# Allegro board PandaX_III_V3.brd
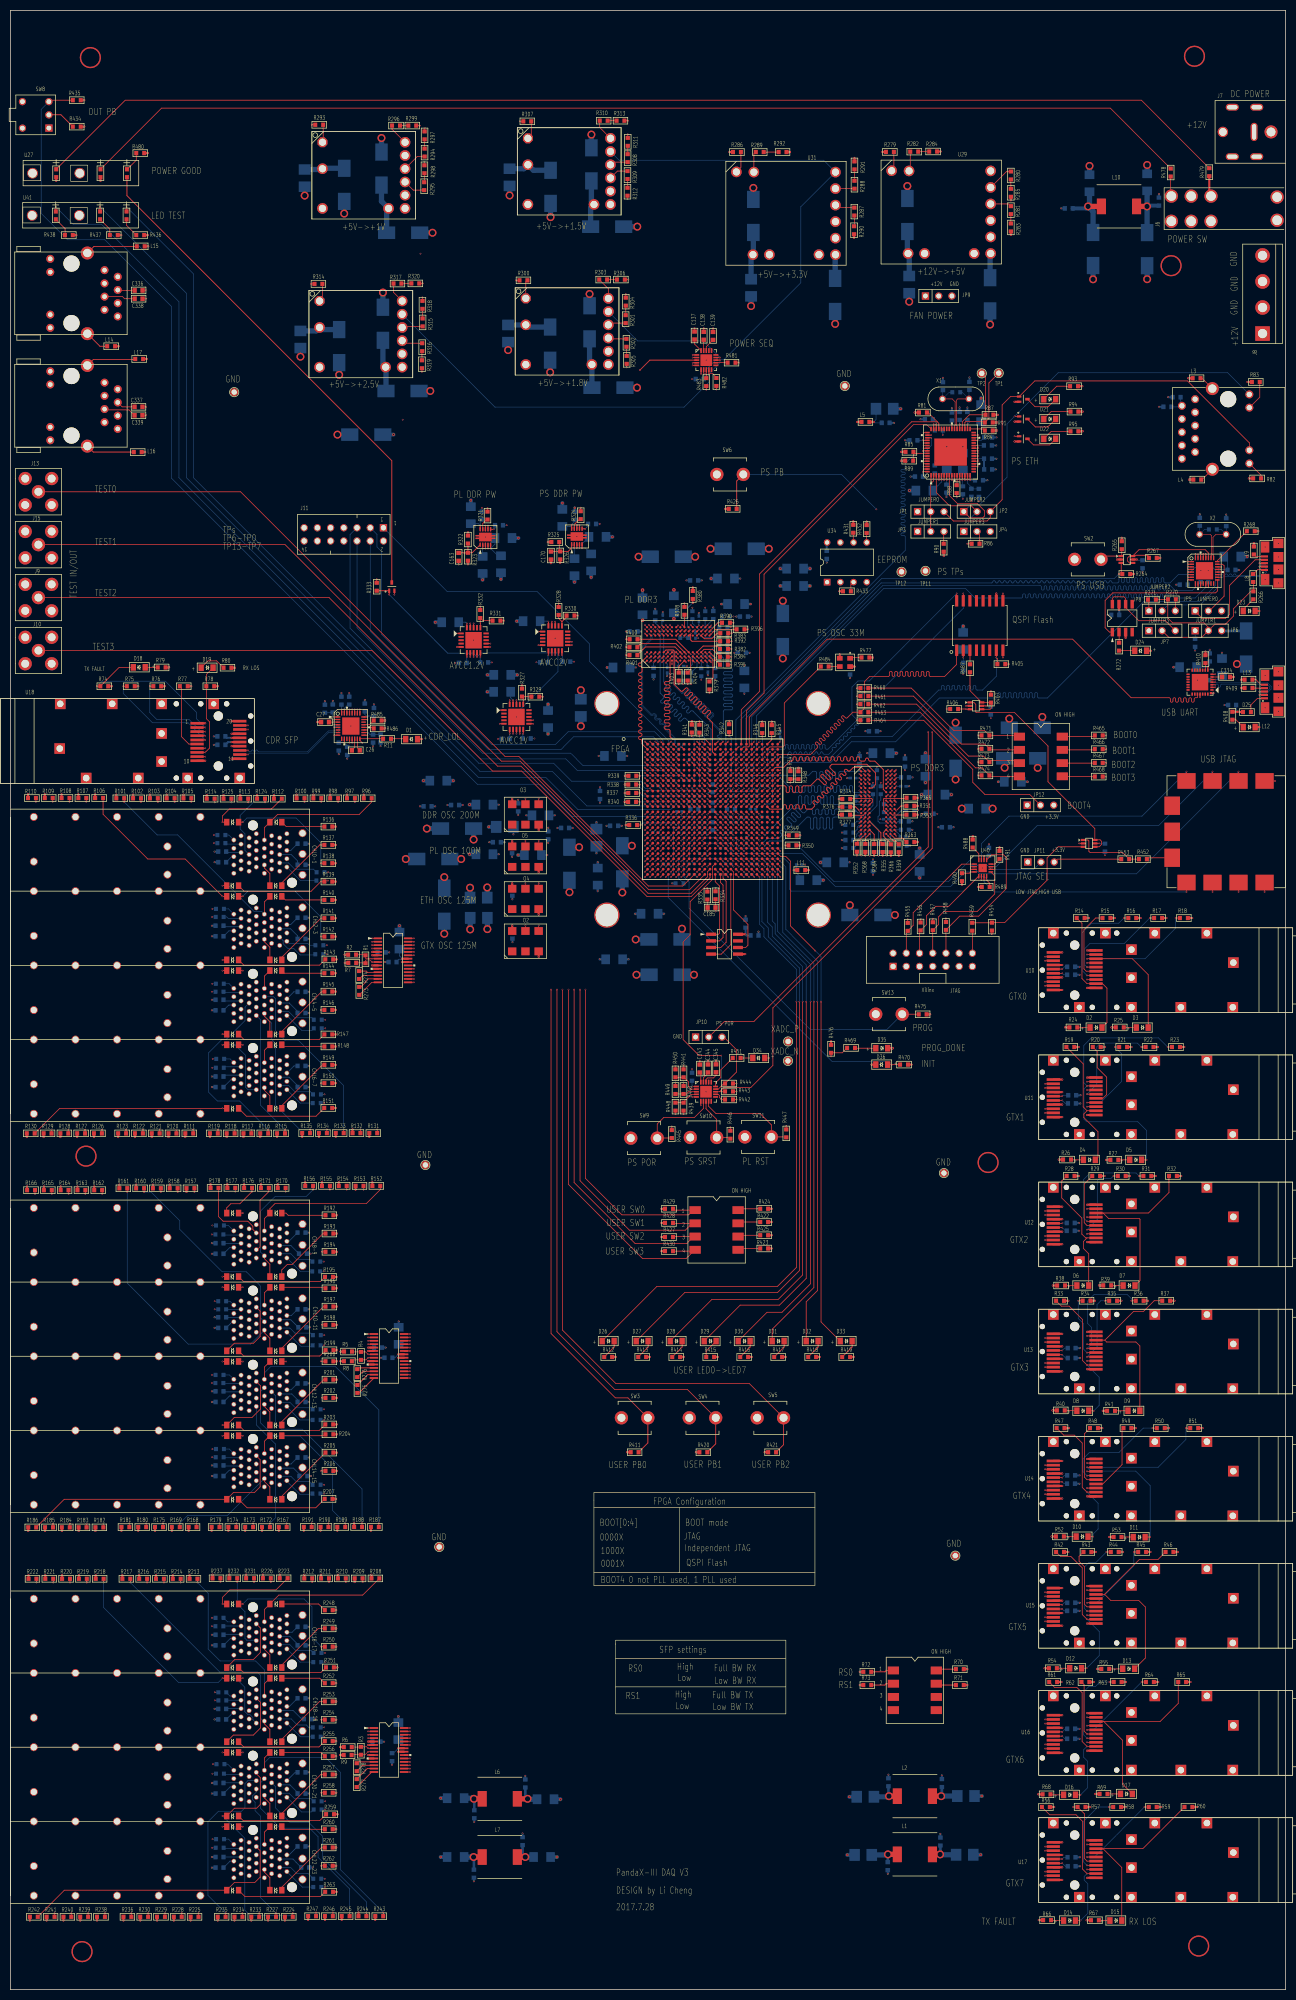
[diagram p0: board, top side]
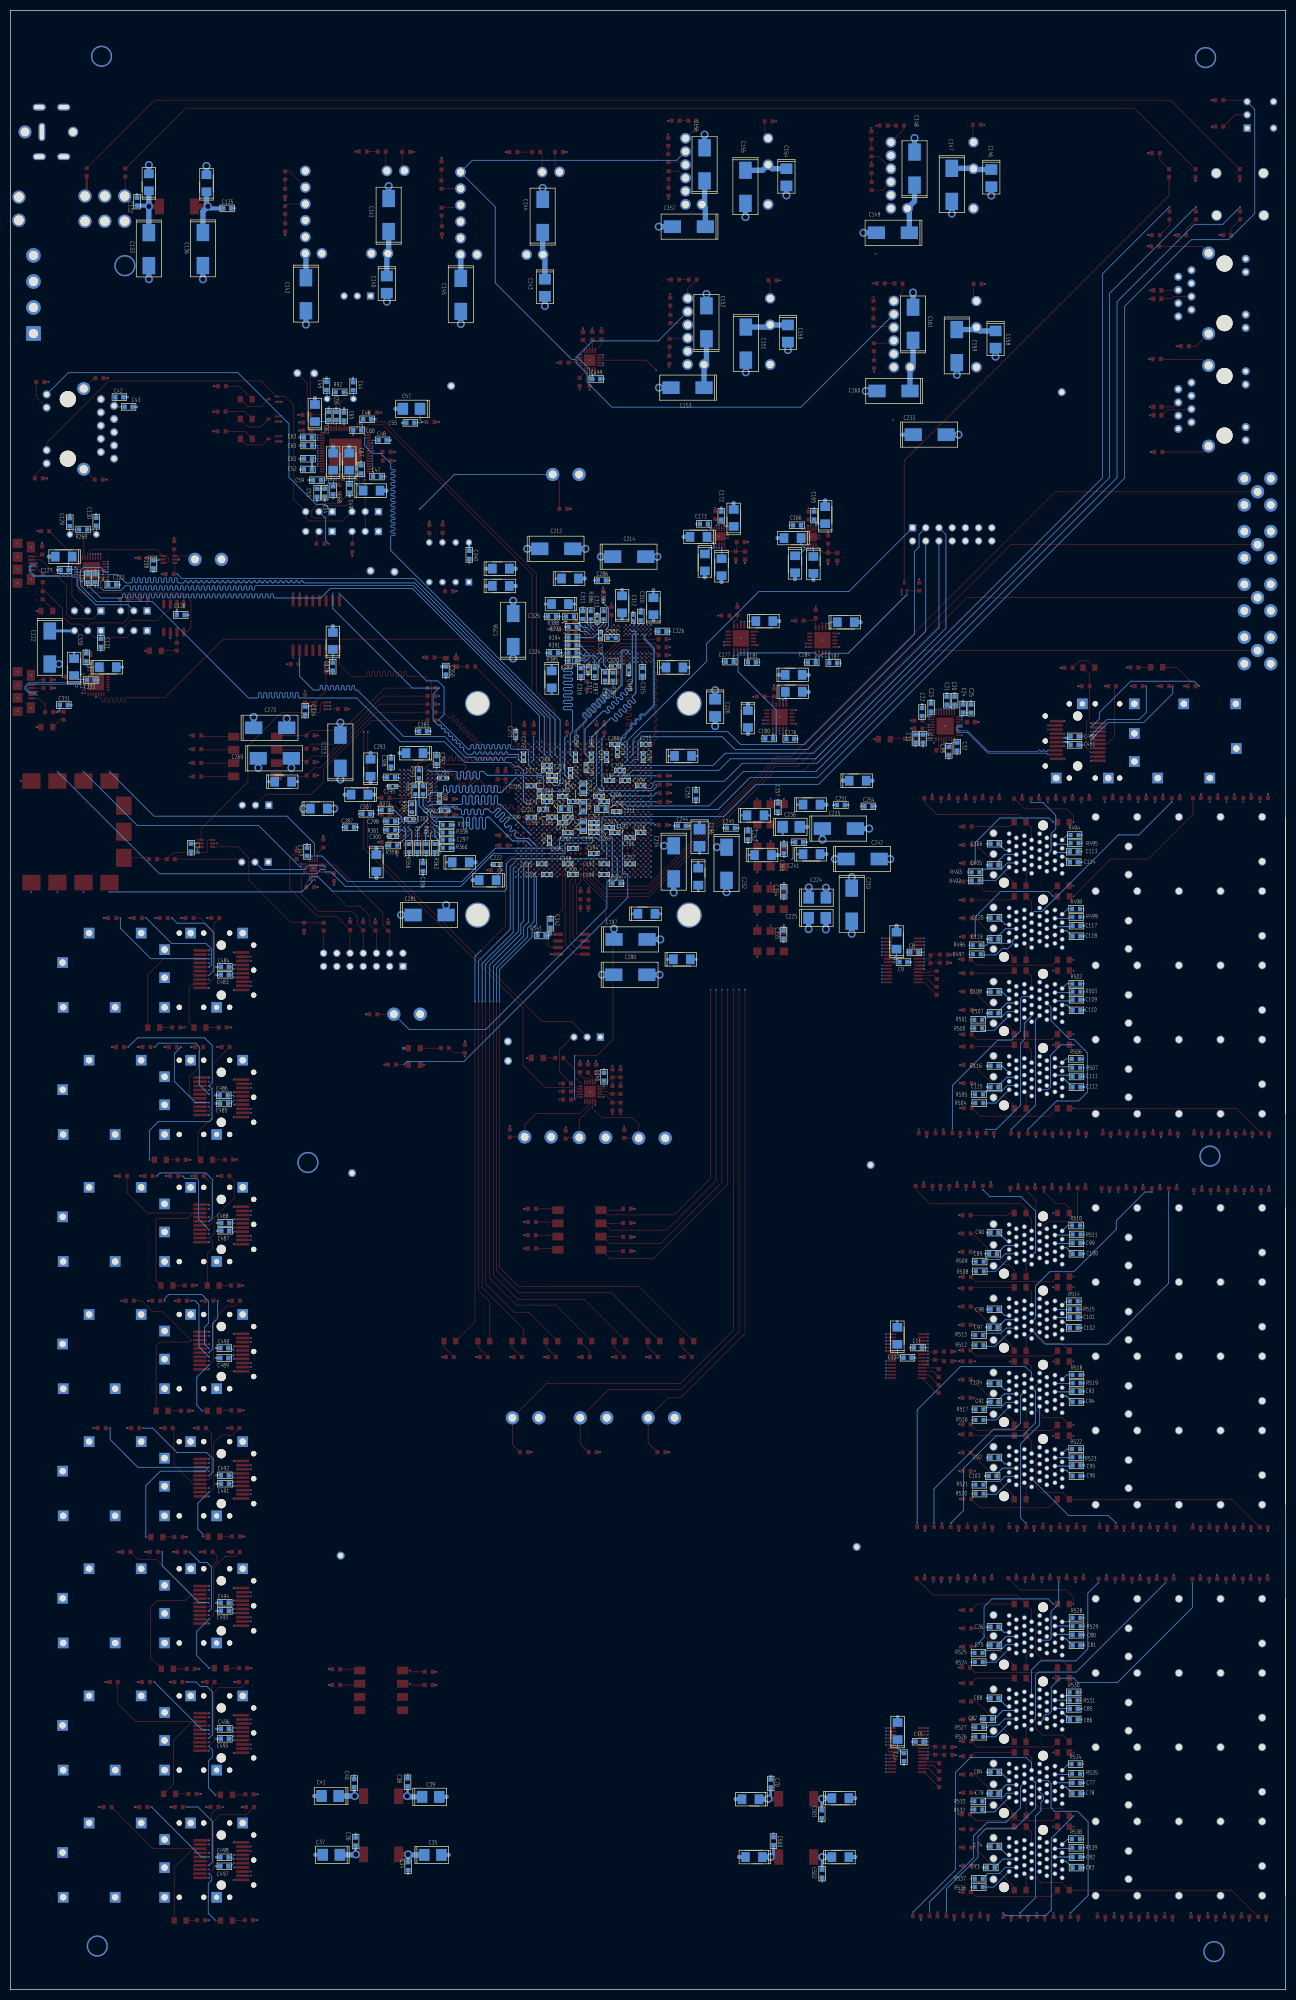
[diagram p1: board, bottom side, seen from below]

Outline 245.01 x 380 mm; copper layers: TOP, GND1, PWR1, SIG1, GND2, SIG2, PWR2, PWR3, SIG3, GND3, SIG4, PWR4, GND4, BOTTOM. Coordinates in mm from the lower left corner of the outline.
Outline path: 0.01,380 0.01,0 245.01,0 245.01,380 0.01,380

## Design rules (mm)
net group DCM_CLK: nets DCM_CLK_N DCM_CLK_P
net group DCM_MISO: nets DCM_MISO_N DCM_MISO_P
net group DCM_MOSI: nets DCM_MOSI_N DCM_MOSI_P
net group ETHERNET_GTX_CLK: nets ETHERNET_GTX_CLK_N ETHERNET_GTX_CLK_P
net group ETHERNET_XTAL: nets ETHERNET_XTAL_N ETHERNET_XTAL_P
net group FEC_CLK: nets FEC_CLK_N FEC_CLK_P
net group FEC_GROUP_TX0: nets FEC_GROUP_TX_N0 FEC_GROUP_TX_P0
net group FEC_GROUP_TX1: nets FEC_GROUP_TX_N1 FEC_GROUP_TX_P1
net group FEC_GROUP_TX2: nets FEC_GROUP_TX_N2 FEC_GROUP_TX_P2
net group FEC_MISO: nets FEC_MISO_N FEC_MISO_P
net group FEC_MOSI: nets FEC_MOSI_N FEC_MOSI_P
net group FEC_RX_0: nets FEC_RX_N0 FEC_RX_P0
net group FEC_RX_1: nets FEC_RX_N1 FEC_RX_P1
net group FEC_RX_2: nets FEC_RX_N2 FEC_RX_P2
net group FEC_RX_3: nets FEC_RX_N3 FEC_RX_P3
net group FEC_RX_4: nets FEC_RX_N4 FEC_RX_P4
net group FEC_RX_5: nets FEC_RX_N5 FEC_RX_P5
net group FEC_RX_6: nets FEC_RX_N6 FEC_RX_P6
net group FEC_RX_7: nets FEC_RX_N7 FEC_RX_P7
net group FEC_RX_8: nets FEC_RX_N8 FEC_RX_P8
net group FEC_RX_9: nets FEC_RX_N9 FEC_RX_P9
net group FEC_RX_10: nets FEC_RX_N10 FEC_RX_P10
net group FEC_RX_11: nets FEC_RX_N11 FEC_RX_P11
net group FEC_RX_12: nets FEC_RX_N12 FEC_RX_P12
net group FEC_RX_13: nets FEC_RX_N13 FEC_RX_P13
net group FEC_RX_14: nets FEC_RX_N14 FEC_RX_P14
net group FEC_RX_15: nets FEC_RX_N15 FEC_RX_P15
net group FEC_RX_16: nets FEC_RX_N16 FEC_RX_P16
net group FEC_RX_18: nets FEC_RX_N18 FEC_RX_P18
net group FEC_RX_20: nets FEC_RX_N20 FEC_RX_P20
net group FEC_RX_21: nets FEC_RX_N21 FEC_RX_P21
net group FEC_RX_22: nets FEC_RX_N22 FEC_RX_P22
net group FEC_RX_23: nets FEC_RX_N23 FEC_RX_P23
net group FEC_TX_0: nets FEC_TX_N0 FEC_TX_P0
net group FEC_TX_1: nets FEC_TX_N1 FEC_TX_P1
net group FEC_TX_2: nets FEC_TX_N2 FEC_TX_P2
net group FEC_TX_3: nets FEC_TX_N3 FEC_TX_P3
net group FEC_TX_4: nets FEC_TX_N4 FEC_TX_P4
net group FEC_TX_5: nets FEC_TX_N5 FEC_TX_P5
net group FEC_TX_6: nets FEC_TX_N6 FEC_TX_P6
net group FEC_TX_7: nets FEC_TX_N7 FEC_TX_P7
net group FEC_TX_8: nets FEC_TX_N8 FEC_TX_P8
net group FEC_TX_9: nets FEC_TX_N9 FEC_TX_P9
net group FEC_TX_10: nets FEC_TX_N10 FEC_TX_P10
net group FEC_TX_11: nets FEC_TX_N11 FEC_TX_P11
net group FEC_TX_12: nets FEC_TX_N12 FEC_TX_P12
net group FEC_TX_13: nets FEC_TX_N13 FEC_TX_P13
net group FEC_TX_14: nets FEC_TX_N14 FEC_TX_P14
net group FEC_TX_15: nets FEC_TX_N15 FEC_TX_P15
net group FEC_TX_16: nets FEC_TX_N16 FEC_TX_P16
net group FEC_TX_17: nets FEC_TX_N17 FEC_TX_P17
net group FEC_TX_18: nets FEC_TX_N18 FEC_TX_P18
net group FEC_TX_19: nets FEC_TX_N19 FEC_TX_P19
net group FEC_TX_20: nets FEC_TX_N20 FEC_TX_P20
net group FEC_TX_21: nets FEC_TX_N21 FEC_TX_P21
net group FEC_TX_22: nets FEC_TX_N22 FEC_TX_P22
net group FEC_TX_23: nets FEC_TX_N23 FEC_TX_P23
net group GTX_CLOCK: nets GTX_CLOCK_N GTX_CLOCK_P
net group MDI0: nets MDI_N0 MDI_P0
net group MDI1: nets MDI_N1 MDI_P1
net group MDI2: nets MDI_N2 MDI_P2
net group MDI3: nets MDI_N3 MDI_P3
net group PL_CLK: nets PL_CLK_N PL_CLK_P
net group POWER: nets SFP_VCCR SFP_VCCT
net group RX_CDR_CLK: nets RX_CDR_CLKN RX_CDR_CLKP
net group RX_CDR_RX: nets RX_CDR_RXN RX_CDR_RXP
net group SFP_RX_0: nets SFP_RX_N0 SFP_RX_P0
net group SFP_RX_1: nets SFP_RX_N1 SFP_RX_P1
net group SFP_RX_2: nets SFP_RX_N2 SFP_RX_P2
net group SFP_RX_3: nets SFP_RX_N3 SFP_RX_P3
net group SFP_RX_4: nets SFP_RX_N4 SFP_RX_P4
net group SFP_RX_5: nets SFP_RX_N5 SFP_RX_P5
net group SFP_RX_6: nets SFP_RX_N6 SFP_RX_P6
net group SFP_RX_7: nets SFP_RX_N7 SFP_RX_P7
net group SFP_RX_8: nets SFP_RX_N8 SFP_RX_P8
net group SFP_TX_0: nets SFP_TX_N0 SFP_TX_P0
net group SFP_TX_1: nets SFP_TX_N1 SFP_TX_P1
net group SFP_TX_2: nets SFP_TX_N2 SFP_TX_P2
net group SFP_TX_3: nets SFP_TX_N3 SFP_TX_P3
net group SFP_TX_4: nets SFP_TX_N4 SFP_TX_P4
net group SFP_TX_5: nets SFP_TX_N5 SFP_TX_P5
net group SFP_TX_6: nets SFP_TX_N6 SFP_TX_P6
net group SFP_TX_7: nets SFP_TX_N7 SFP_TX_P7
net group SFP_TX_8: nets SFP_TX_N8 SFP_TX_P8
net group UART: nets UART_USB_RXD UART_USB_TXD
net group UART_USB_D: nets UART_USB_D_N UART_USB_D_P
net group ULPI_USB_D: nets ULPI_USB_D_N ULPI_USB_D_P
net group USB3320_XTAL: nets USB3320_XTAL_N USB3320_XTAL_P
net group XADC: nets XADC_N XADC_P
net group PHY_RX: nets ETH_PHY_RX_CLK ETH_PHY_RX_CTRL ETH_PHY_RXD0 ETH_PHY_RXD1 ETH_PHY_RXD2 ETH_PHY_RXD3
net group PHY_TX: nets ETH_PHY_TX_CLK ETH_PHY_TX_CTRL ETH_PHY_TXD0 ETH_PHY_TXD1 ETH_PHY_TXD2 ETH_PHY_TXD3
net group PL_DDR3: nets PL_DDR3_ADDR0 PL_DDR3_ADDR1 PL_DDR3_ADDR2 PL_DDR3_ADDR3 PL_DDR3_ADDR4 PL_DDR3_ADDR5 PL_DDR3_ADDR6 PL_DDR3_ADDR7 PL_DDR3_ADDR8 PL_DDR3_ADDR9 PL_DDR3_ADDR10 PL_DDR3_ADDR11 PL_DDR3_ADDR12 PL_DDR3_ADDR13 PL_DDR3_ADDR14 PL_DDR3_BA0 PL_DDR3_BA1 PL_DDR3_BA2 PL_DDR3_CAS_B PL_DDR3_CK_N PL_DDR3_CK_P PL_DDR3_CKE PL_DDR3_CS_B PL_DDR3_DQ0 PL_DDR3_DQ1 PL_DDR3_DQ2 PL_DDR3_DQ3 PL_DDR3_DQ4 PL_DDR3_DQ5 PL_DDR3_DQ6 PL_DDR3_DQ7 PL_DDR3_DQ8 PL_DDR3_DQ9 PL_DDR3_DQ10 PL_DDR3_DQ11 PL_DDR3_DQ12 PL_DDR3_DQ13 PL_DDR3_DQ14 PL_DDR3_DQ15 PL_DDR3_LDM PL_DDR3_LDQS_N PL_DDR3_LDQS_P PL_DDR3_ODT PL_DDR3_RAS_B PL_DDR3_RESET_B PL_DDR3_SYS_CK_N PL_DDR3_SYS_CK_P PL_DDR3_UDM PL_DDR3_UDQS_N PL_DDR3_UDQS_P PL_DDR3_WE_B PL_DDR3_ZQ
net group PS_DDR3: nets DDR3_ADDR0 DDR3_ADDR1 DDR3_ADDR2 DDR3_ADDR3 DDR3_ADDR4 DDR3_ADDR5 DDR3_ADDR6 DDR3_ADDR7 DDR3_ADDR8 DDR3_ADDR9 DDR3_ADDR10 DDR3_ADDR11 DDR3_ADDR12 DDR3_ADDR13 DDR3_ADDR14 DDR3_BA0 DDR3_BA1 DDR3_BA2 DDR3_CAS_B DDR3_CK_N DDR3_CK_P DDR3_CKE DDR3_CS_B DDR3_DQ0 DDR3_DQ1 DDR3_DQ2 DDR3_DQ3 DDR3_DQ4 DDR3_DQ5 DDR3_DQ6 DDR3_DQ7 DDR3_DQ8 DDR3_DQ9 DDR3_DQ10 DDR3_DQ11 DDR3_DQ12 DDR3_DQ13 DDR3_DQ14 DDR3_DQ15 DDR3_LDM DDR3_LDQS_N DDR3_LDQS_P DDR3_ODT DDR3_RAS_B DDR3_RESET_B DDR3_UDM DDR3_UDQS_N DDR3_UDQS_P DDR3_WE_B DDR3_ZQ
net group ULPI_USB: nets ULPI_USB_CLKOUT ULPI_USB_DATA0 ULPI_USB_DATA1 ULPI_USB_DATA2 ULPI_USB_DATA3 ULPI_USB_DATA4 ULPI_USB_DATA5 ULPI_USB_DATA6 ULPI_USB_DATA7 ULPI_USB_DIR ULPI_USB_NEXT ULPI_USB_STP

## Placement (name value [footprint] x y rotation side)
C7  10u  [CT1206]  74.75 201.4 90 bottom
C8  0.01u  [SC0603]  71.32 199.14 180 bottom
C9  0.1u  [SC0603]  73.43 197.28 0 bottom
C10  10u  [CT1206]  74.6 125.53 90 bottom
C11  0.01u  [SC0603]  70.64 123.27 180 bottom
C12  0.1u  [SC0603]  72.64 121.31 0 bottom
C13  10u  [CT1206]  74.55 49.63 90 bottom
C14  0.01u  [SC0603]  73.33 44.63 90 bottom
C15  0.1u  [SC0603]  70.33 47.6 180 bottom
C20  1n  [SC0603]  63.6 247.47 270 bottom
C21  0.1u  [SC0603]  65.1 247.47 270 bottom
C22  1n  [SC0603]  69.85 245.29 270 bottom
C23  0.1u  [SC0603]  68.1 246.15 270 bottom
C24  1n  [SC0603]  61.95 245.97 270 bottom
C25  0.1u  [SC0603]  60.43 245.92 270 bottom
C26  0.47u  [SC0603]  66.37 237.95 0 top
C27  0.1u  [SC0603]  60.45 243.36 0 top
C30  1n  [SC0603]  71.12 240.21 90 bottom
C31  0.1u  [SC0603]  69.67 240.18 90 bottom
C32  1n  [SC0603]  63.09 238.66 90 bottom
C33  0.1u  [SC0603]  64.72 237.82 90 bottom
C34  0.1u  [SC0603]  168.58 23.7 270 bottom
C35  22u  [CT3528]  163.86 25.86 180 bottom
C36  0.1u  [SC0603]  178.69 28.42 90 bottom
C37  22u  [CT3528]  183.36 25.88 0 bottom
C38  0.1u  [SC0603]  168.71 39.8 90 bottom
C39  22u  [CT3528]  164.26 37.01 180 bottom
C40  0.1u  [SC0603]  178.97 39.65 90 bottom
C41  22u  [CT3528]  183.59 37.16 0 bottom
C42  1n  [SC0603]  224.08 305.74 180 bottom
C43  0.1u  [SC0603]  222.3 303.89 180 bottom
C44  18p  [SC0603]  179.17 307.85 90 bottom
C45  18p  [SC0603]  184.28 307.9 90 bottom
C46  0.1u  [SC0603]  176.48 301.5 180 bottom
C47  0.1u  [SC0603]  174.57 290.5 180 bottom
C48  0.1u  [SC0603]  173.51 297.46 180 bottom
C49  0.1u  [SC0603]  179.86 288.19 270 bottom
C50  10u  [CT1206]  179.91 293.37 90 bottom
C51  10u  [CT1206]  186.51 302.69 90 bottom
C52  0.1u  [SC0603]  187.86 291.87 0 bottom
C53  0.1u  [SC0603]  186.08 287.38 270 bottom
C54  0.1u  [SC0603]  184.63 287.4 270 bottom
C55  0.1u  [SC0603]  168.17 300.81 0 bottom
C56  0.1u  [SC0603]  182.37 302.13 90 bottom
C57  22u  [CT3528]  167.97 303.51 0 bottom
C58  10u  [CT1206]  183.01 293.37 90 bottom
C59  0.1u  [SC0603]  186.11 289.79 0 bottom
C60  0.1u  [SC0603]  187.81 296.47 0 bottom
C61  0.1u  [SC0603]  187.83 293.93 0 bottom
C62  0.1u  [SC0603]  183.87 302.13 90 bottom
C63  0.1u  [SC0603]  187.86 298.02 0 bottom
C64  10u  [CT1206]  175.62 287.81 180 bottom
C65  0.1u  [SC0603]  180.9 302.03 90 bottom
C66  0.1u  [SC0603]  178.38 299.39 0 bottom
C67  0.1u  [SC0603]  177.62 291.87 90 bottom
C68  0.1u  [SC0603]  183.01 287.86 270 bottom
C69  10u  [CT1206]  102.82 36.55 0 bottom
C70  0.1u  [SC0603]  98.93 39.57 270 bottom
C71  10u  [CT1206]  85.55 36.75 180 bottom
C72  10u  [CT1206]  85.55 25.45 180 bottom
C73  0.1u  [SC0603]  56.64 23.45 180 bottom
C74  0.1u  [SC0603]  55.93 27.48 180 bottom
C75  0.1u  [SC0603]  55.93 66.09 180 bottom
C76  0.1u  [SC0603]  55.93 69.65 180 bottom
C77  0.1u  [SC0603]  40.18 39.68 0 bottom
C78  0.1u  [SC0603]  40.18 37.64 0 bottom
C79  0.1u  [SC0603]  55.93 37.64 180 bottom
C80  0.1u  [SC0603]  40.18 68.12 0 bottom
C81  0.1u  [SC0603]  40.18 66.09 0 bottom
C82  0.1u  [SC0603]  40.18 25.45 0 bottom
C83  0.1u  [SC0603]  40.18 23.42 0 bottom
C84  0.1u  [SC0603]  55.93 41.71 180 bottom
C85  0.1u  [SC0603]  40.69 53.9 0 bottom
C86  0.1u  [SC0603]  40.69 51.87 0 bottom
C87  0.1u  [SC0603]  57.15 51.94 180 bottom
C88  0.1u  [SC0603]  55.93 55.93 180 bottom
C89  0.1u  [SC0603]  56.21 141.3 180 bottom
C90  0.1u  [SC0603]  55.93 145.34 180 bottom
C91  0.1u  [SC0603]  55.93 112.83 180 bottom
C92  0.1u  [SC0603]  55.93 102.16 180 bottom
C93  0.1u  [SC0603]  40.18 114.86 0 bottom
C94  0.1u  [SC0603]  40.18 112.83 0 bottom
C95  0.1u  [SC0603]  40.18 100.64 0 bottom
C96  0.1u  [SC0603]  40.18 98.6 0 bottom
C97  0.1u  [SC0603]  56.08 127.15 180 bottom
C98  0.1u  [SC0603]  55.93 130.61 180 bottom
C99  0.1u  [SC0603]  40.18 143.31 0 bottom
C100  0.1u  [SC0603]  40.18 141.28 0 bottom
C101  0.1u  [SC0603]  40.69 129.08 0 bottom
C102  0.1u  [SC0603]  40.69 127.05 0 bottom
C103  0.1u  [SC0603]  56.29 98.6 180 bottom
C104  0.1u  [SC0603]  55.93 116.38 180 bottom
C105  0.1u  [SC0603]  55.93 215.95 180 bottom
C106  0.1u  [SC0603]  55.93 220.02 180 bottom
C107  0.1u  [SC0603]  55.93 187.5 180 bottom
C108  0.1u  [SC0603]  55.93 191.57 180 bottom
C109  0.1u  [SC0603]  40.18 190.04 0 bottom
C110  0.1u  [SC0603]  40.18 188.01 0 bottom
C111  0.1u  [SC0603]  40.18 175.31 0 bottom
C112  0.1u  [SC0603]  40.18 173.28 0 bottom
C113  0.1u  [SC0603]  40.69 218.49 0 bottom
C114  0.1u  [SC0603]  40.69 216.46 0 bottom
C115  0.1u  [SC0603]  55.93 173.28 180 bottom
C116  0.1u  [SC0603]  55.93 177.34 180 bottom
C117  0.1u  [SC0603]  40.18 204.27 0 bottom
C118  0.1u  [SC0603]  40.18 202.24 0 bottom
C119  0.1u  [SC0603]  55.93 201.73 180 bottom
C120  0.1u  [SC0603]  55.93 205.79 180 bottom
C121  1u  [SC0603]  227.63 258.57 270 bottom
C122  120u  [CT7343]  237.44 257.68 270 bottom
C123  0.1u  [SC0603]  225.45 269.75 180 bottom
C124  0.1u  [SC0603]  230.15 270.97 90 bottom
C125  0.1u  [SC0603]  228.73 270.99 90 bottom
C126  2.2u  [CT1206]  234.77 275.13 0 bottom
C127  0.1u  [SC0603]  234.62 272.57 0 bottom
C128  0.1u  [SC0603]  212.29 263.93 180 bottom
C129  22p  [SC0603]  233.6 281.74 90 bottom
C130  22p  [SC0603]  228.52 281.81 90 bottom
C131  10u  [CT1206]  218.41 346.99 90 bottom
C132  0.1u  [SC0603]  220.68 343.28 90 bottom
C133  100u  [CT7343]  218.41 334.16 270 bottom
C134  10u  [CT1206]  207.34 346.81 90 bottom
C135  0.1u  [SC0603]  203.35 341.99 180 bottom
C136  100u  [CT7343]  208.03 334.19 270 bottom
C137  0.1u  [SC0603]  131.44 317.58 90 top
C138  0.1u  [SC0603]  133.22 317.53 90 top
C139  0.1u  [SC0603]  135 317.5 90 top
C140  22u  [CT3528]  172.69 327.36 270 bottom
C141  330u  [CT7343]  172.34 340.72 90 bottom
C142  330u  [CT7343]  188.24 325.5 270 bottom
C143  22u  [CT3528]  142.32 326.75 270 bottom
C144  330u  [CT7343]  142.75 340.54 90 bottom
C145  330u  [CT7343]  158.47 325.38 270 bottom
C146  22u  [CT3528]  56.54 347.8 270 bottom
C147  330u  [CT7343]  64.13 346.51 270 bottom
C148  100u  [CT7343]  71.3 349.63 90 bottom
C149  100u  [CT7343]  75.46 337.31 0 bottom
C150  22u  [CT3528]  95.63 317.96 270 bottom
C151  330u  [CT7343]  103.71 316.03 270 bottom
C152  100u  [CT7343]  111.28 320.12 90 bottom
C153  100u  [CT7343]  114.91 307.57 0 bottom
C154  22u  [CT3528]  95.91 347.96 270 bottom
C155  330u  [CT7343]  103.78 346.13 270 bottom
C156  100u  [CT7343]  111.63 350.44 90 bottom
C157  100u  [CT7343]  114.66 338.48 0 bottom
C158  22u  [CT3528]  55.73 316.82 270 bottom
C159  330u  [CT7343]  63.17 315.55 270 bottom
C160  100u  [CT7343]  75.34 306.93 0 bottom
C161  100u  [CT7343]  71.58 319.84 90 bottom
C162  10u  [CT1206]  90.73 273.53 270 bottom
C163  1n  [SC0603]  86.13 275.08 270 top
C164  10u  [CT1206]  88.47 283.08 90 bottom
C165  1u  [SC0603]  90.6 283.01 90 bottom
C166  0.1u  [SC0603]  93.88 281.15 0 bottom
C167  22u  [CT1206]  94.74 278.69 0 bottom
C168  22u  [CT1206]  94.26 273.66 270 bottom
C169  10u  [CT1206]  108.38 273.1 270 bottom
C170  1n  [SC0603]  103.86 275.34 270 top
C171  10u  [CT1206]  106.04 282.55 90 bottom
C172  1u  [SC0603]  108.43 282.98 90 bottom
C173  0.1u  [SC0603]  111.76 281.41 0 bottom
C174  22u  [CT1206]  111.58 274.02 270 bottom
C175  22u  [CT1206]  112.8 278.92 0 bottom
C176  1u  [SC0603]  95.17 240.13 180 bottom
C177  1u  [SC0603]  106.81 254.97 0 bottom
C178  10u  [CT1206]  94.49 249.18 180 bottom
C179  10u  [CT1206]  100.15 262.74 180 bottom
C180  4.7u  [SC0603]  99.21 240.21 0 bottom
C181  4.7u  [SC0603]  102.54 254.84 180 bottom
C182  1u  [SC0603]  86.92 254.71 180 bottom
C183  10u  [CT1206]  84.51 262.54 180 bottom
C184  4.7u  [SC0603]  91.03 254.81 0 bottom
C185  10p  [SC0603]  134.72 207.75 180 top
C186  0.1u  [SC0603]  134.95 227.13 270 bottom
C187  0.1u  [SC0402]  129.9 232.11 180 bottom
C188  0.1u  [SC0402]  134.42 234.65 90 bottom
C189  0.1u  [SC0402]  133.43 236.6 90 bottom
C190  0.1u  [SC0402]  123.44 236.63 90 bottom
C191  0.1u  [SC0402]  132.92 222.12 0 bottom
C192  0.1u  [SC0402]  128.9 222.12 180 bottom
C193  0.1u  [SC0402]  130.91 216.13 180 bottom
C194  0.1u  [SC0402]  132.92 218.11 180 bottom
C195  0.1u  [SC0402]  136.93 219.13 180 bottom
C196  47u  [CT3528]  112.6 221.16 270 bottom
C197  100u  [CT7343]  125.86 201.63 180 bottom
C198  0.1u  [SC0402]  137.95 216.13 180 bottom
C199  0.1u  [SC0402]  130.91 214.12 180 bottom
C200  0.1u  [SC0402]  136.93 214.12 0 bottom
C201  0.1u  [SC0402]  141.94 214.12 180 bottom
C203  0.1u  [SC0402]  142.93 216.13 0 bottom
C204  0.1u  [SC0402]  141.43 220.63 90 bottom
C205  0.1u  [SC0402]  130.91 228.12 0 bottom
C206  0.1u  [SC0402]  125.93 221.13 180 bottom
C207  0.1u  [SC0402]  129.95 223.11 180 bottom
C208  0.1u  [SC0402]  141.94 229.13 0 bottom
C209  0.1u  [SC0402]  123.93 231.12 0 bottom
C210  100u  [CT7343]  83.36 208.31 270 bottom
C211  0.1u  [SC0402]  128.55 226.21 180 bottom
C212  100u  [CT7343]  140.13 276.63 180 bottom
C213  100u  [CT7343]  181.61 237.67 90 bottom
C214  100u  [CT7343]  126.11 275.11 180 bottom
C215  0.1u  [SC0402]  122.94 239.12 180 bottom
C216  0.1u  [SC0402]  144.93 231.12 0 bottom
C217  0.1u  [SC0402]  137.41 233.6 90 bottom
C218  0.1u  [SC0402]  128.42 237.62 90 bottom
C219  0.1u  [SC0402]  127.91 234.11 180 bottom
C220  0.1u  [SC0402]  142.67 226.65 0 bottom
C221  0.1u  [SC0402]  130.43 236.63 270 bottom
C222  0.1u  [SC0402]  151.56 216 0 bottom
C223  10u  [CT1206]  153.31 213.01 0 bottom
C224  47u  [CT3528]  89.97 209.65 180 bottom
C225  47u  [CT3528]  89.99 205.77 180 bottom
C226  47u  [CT3528]  109.6 246.1 270 bottom
C227  0.1u  [SC0402]  125.93 216.13 180 bottom
C228  0.1u  [SC0402]  123.93 222.12 180 bottom
C229  4.7u  [CT1206]  103.3 243.94 270 bottom
C230  4.7u  [CT1206]  94.51 252.43 180 bottom
C231  4.7u  [CT1206]  115.77 236.86 180 bottom
C232  330u  [CT7343]  107.42 216.16 270 bottom
C233  330u  [CT7343]  68.38 298.55 180 bottom
C234  330u  [CT7343]  117.58 216.43 270 bottom
C235  330u  [CT7343]  85.83 222.91 180 bottom
C236  47u  [CT3528]  95 223.24 180 bottom
C237  4.7u  [CT1206]  100.41 217.83 180 bottom
C238  4.7u  [CT1206]  91.08 227.51 180 bottom
C239  4.7u  [CT1206]  91.08 217.98 180 bottom
C240  4.7u  [CT1206]  112.85 213.69 270 bottom
C241  0.47u  [SC0603]  93.47 220.3 180 bottom
C242  100u  [CT7343]  81.25 217.07 180 bottom
C243  4.7u  [CT1206]  101.85 225.45 180 bottom
C244  0.47u  [SC0603]  116 223.44 180 bottom
C245  0.47u  [SC0603]  106.58 223.04 180 bottom
C246  0.47u  [SC0603]  131.42 226.65 180 bottom
C247  0.47u  [SC0603]  138.46 226.62 180 bottom
C248  0.47u  [SC0603]  134.92 223.37 270 bottom
C249  0.1u  [SC0402]  138.91 229.11 180 bottom
C250  0.1u  [SC0402]  137.92 225.12 180 bottom
C251  0.47u  [SC0603]  85.45 227.43 180 bottom
C252  0.47u  [SC0603]  103.33 221.62 270 bottom
C253  0.47u  [SC0603]  134.95 230.63 90 bottom
C254  0.47u  [SC0603]  80.16 227.18 180 bottom
C255  0.47u  [SC0603]  113.28 229.36 90 bottom
C256  100u  [CT7343]  148.41 261.04 90 bottom
C257  4.7u  [CT1206]  82.22 232.11 180 bottom
C258  4.7u  [CT1206]  150.77 269.5 180 bottom
C259  0.1u  [SC0402]  140.92 225.12 180 bottom
C260  0.1u  [SC0402]  141.94 235.1 180 bottom
C261  0.1u  [SC0402]  131.93 229.13 180 bottom
C262  0.1u  [SC0402]  137.92 222.12 180 bottom
C263  0.1u  [SC0402]  132.92 224.11 180 bottom
C264  0.1u  [SC0402]  132.92 223.11 180 bottom
C265  0.1u  [SC0402]  126.92 232.13 0 bottom
C266  0.1u  [SC0402]  138.91 224.13 180 bottom
C267  0.1u  [SC0402]  136.93 228.12 180 bottom
C268  0.01u  [SC0402]  140.92 232.13 0 bottom
C269  100u  [CT7343]  194.21 236.4 180 bottom
C270  4.7u  [CT1206]  122.81 206.55 180 bottom
C271  0.1u  [SC0402]  147.9 240.97 90 bottom
C272  0.1u  [SC0402]  146.41 236.6 90 bottom
C273  100u  [CT7343]  195.1 242.27 180 bottom
C274  4.7u  [CT1206]  192.61 231.9 180 bottom
C275  4.7u  [CT1206]  150.77 272.82 180 bottom
C276  0.1u  [SC0402]  140.94 233.12 0 bottom
C277  0.1u  [SC0402]  141.94 234.11 180 bottom
C278  0.01u  [SC0402]  143.43 229.64 270 bottom
C279  0.01u  [SC0402]  141.94 228.14 180 bottom
C280  100u  [CT7343]  125.91 194.84 180 bottom
C281  100u  [CT7343]  164.46 206.33 180 bottom
C282  4.7u  [CT1206]  116 197.82 180 bottom
C283  4.7u  [CT1206]  137.49 270.92 180 bottom
C284  4.7u  [CT1206]  185.75 226.75 180 bottom
C285  0.1u  [SC0603]  165.73 241.61 180 bottom
C286  0.1u  [SC0603]  131.37 270.56 180 bottom
C287  0.1u  [SC0603]  179.76 223.17 180 bottom
C288  0.1u  [SC0402]  136.42 236.6 90 bottom
C289  0.1u  [SC0402]  128.93 239.12 0 bottom
C290  0.1u  [SC0402]  144.93 225.12 180 bottom
C291  4.7u  [CT1206]  167.36 237.39 0 bottom
C292  0.1u  [SC0603]  163.14 236.07 90 bottom
C293  0.1u  [SC0603]  171.88 232.74 0 bottom
C294  0.1u  [SC0402]  161.9 232.61 180 bottom
C295  0.1u  [SC0402]  171.58 231.04 0 bottom
C296  4.7u  [CT1206]  158.5 216.43 180 bottom
C297  0.1u  [SC0603]  161.21 220.7 180 bottom
C298  0.1u  [SC0603]  171.86 224.31 0 bottom
C299  0.1u  [SC0402]  161.59 226.32 180 bottom
C300  0.1u  [SC0402]  171.48 221.39 0 bottom
C301  0.01u  [SC0402]  162.51 228.68 90 bottom
C302  0.01u  [SC0402]  168.27 224.71 180 bottom
C303  4.7u  [CT1206]  175.82 234.6 90 bottom
C304  4.7u  [CT1206]  177.93 229.44 0 bottom
C305  4.7u  [CT1206]  174.7 216.31 270 bottom
C306  0.1u  [SC0603]  165.73 215.52 270 bottom
C307  0.1u  [SC0603]  176.63 225.76 0 bottom
C308  0.1u  [SC0603]  171.88 235.59 90 bottom
C309  4.7u  [CT1206]  121.46 265.61 90 bottom
C310  0.1u  [SC0603]  123.9 263.65 90 bottom
C311  0.1u  [SC0603]  135.05 263.91 90 bottom
C312  0.1u  [SC0402]  125.35 263.37 90 bottom
C313  0.1u  [SC0402]  132.28 263.2 90 bottom